# Altium PCB 191228 PCB.PcbDoc (part 2 of 3)
Units mil, origin at the board's own origin, x right, y up, seen from the top; angles counter-clockwise.
Board outline 5511.83 x 4586.63 mil, 4 copper layers (Top Layer, Int1 (GND), Int2 (PWR), Bottom Layer), stack 53.912 mil thick; 242 components, 136 nets, 757 pads, 363 vias.
Unrouted connection lines stored in the file: 11.
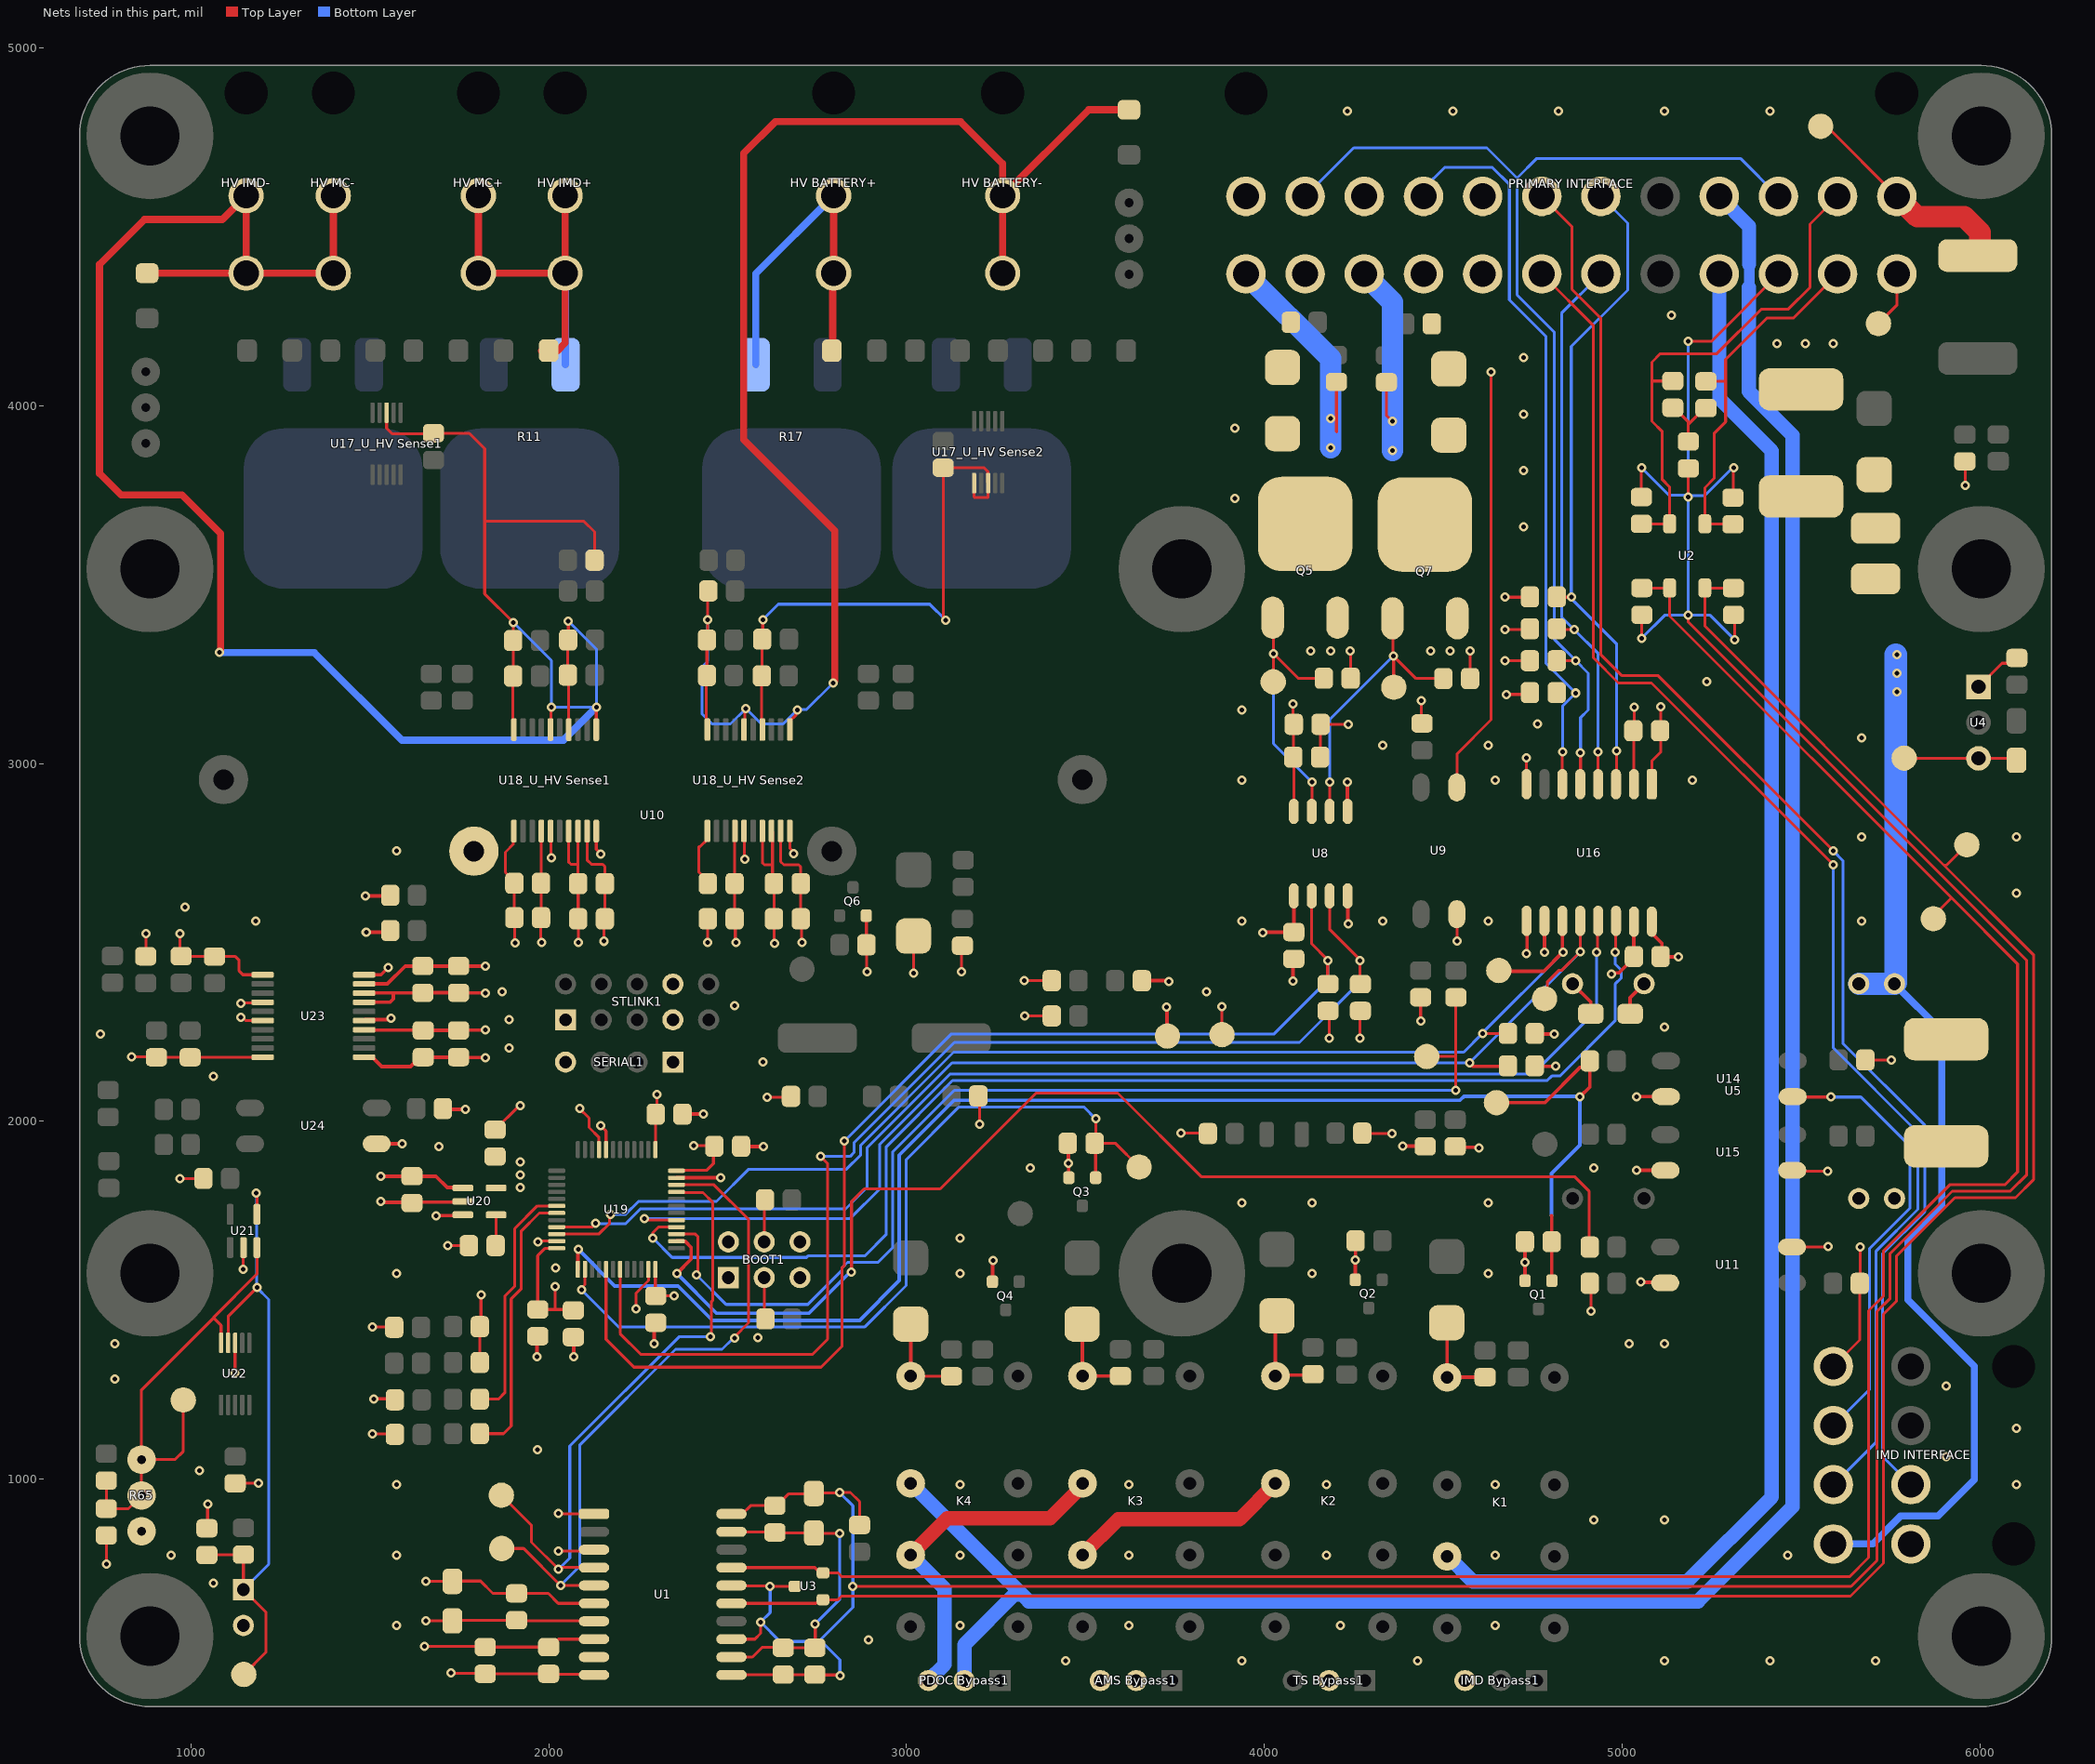
[diagram p4: the nets of this part, all layers, seen from the top]

## Via types
v1: diameter 26, hole 13, Top Layer to Bottom Layer, 363 vias

## Nets (pads, with @x,y where several pads share a name; then routed paths per layer and width w, separated by ;. In a path a pad name is that pad's centre, name@x,y a point inside that pad or via, vN(x,y) a via of type N, cw(c..) or ccw(c..) an arc to the next point about the centre after c; other vN are vias at no path point) (continued)
"0V (ISO)": 4.1 "C35_U_HV Sense1.1" "C35_U_HV Sense2.1" "C36_U_HV Sense1.1" "C36_U_HV Sense2.1" "C37_U_HV Sense1.1" "C37_U_HV Sense2.1" "C38_U_HV Sense1.1" "C38_U_HV Sense2.1" "PCB NTC1.1" "U18_U_HV Sense1.1" "U18_U_HV Sense1.5" "U18_U_HV Sense1.7" "U18_U_HV Sense1.8" "U18_U_HV Sense1.10" "U18_U_HV Sense2.1" "U18_U_HV Sense2.5" "U18_U_HV Sense2.7" "U18_U_HV Sense2.8" "U18_U_HV Sense2.10" BOOT1.5 BOOT1.6 C1.1 C2.1 C7.1 C8.1 C16.1 C19.1 C20.1 C27.1 C29.1 C39.1 C40.1 C41.1 C42.1 C43.1 C44.1 C45.1 C46.1 C47.1 C48.1 C49.1 C60.1 C61.1 C62.1 C63.1 Q1.S Q2.S Q3.S Q4.S Q6.S R3.1 R8.1 R12.1 R19.1 R24.1 R29.1 R34.1 R36.1 R38.1 R55.1 R57.1 R58.1 SERIAL1.4 STLINK1.1 U1.1 U1.3 U1.7 U1.9 U1.10 U5.16 U8.4 U16.9 U16.15 U19.8 U19.23 U19.35 U19.47 U20.2 U23.1 U23.5 U23.7 U23.8 U23.10 U24.3 | length 7040.3
  Top Layer w8: v1(1507.87,1125.98) 1569.36,1125.98 R58.1@1570.4,1124.95 ; v1(1507.87,1425.2) 1567.39,1425.2 R55.1@1568.43,1424.17 ; v1(1511.81,1224.41) 1567.4,1224.41 R57.1@1570.4,1221.41 ; v1(1656.5,603.86) C1.1@1731.31,603.86 1732.29,604.84 1909.46,604.84 C8.1@1910.44,605.83 1912.02,604.25 2125.26,604.25 U1.7@2126.83,602.68 ; v1(1718.03,1652.51) C49.1@1777.09,1652.51 ; v1(1727.37,458.19) 1728.59,456.97 1821.67,456.97 C7.1@1822.89,455.75 C2.1@2000.06,455.75 2001.59,454.21 2125.3,454.21 U1.10@2126.83,452.68 ; C46.1@1850.39,1976.37 1917.33,2043.31 v1(1921.26,2043.31) ; 1902.85,2811.02 1901.28,2809.46 1901.28,2774.31 1878.94,2751.97 1878.94,2695.7 1904.06,2670.58 1904.06,2665.31 1904.14,2665.23 1904.14,2569.05 1904.22,2568.96 1904.87,2568.32 v1@1904.87,2508.52 ; v1@1905.91,2498.61 v1(1906.5,2498.03) ; v1(1969.56,1662.56) 1972.12,1665.12 2022.45,1665.12 U19.23@2022.69,1664.88 ; 2005.21,2811.02 2006.23,2810.01 2006.23,2738.1 v1(2007.97,2736.35) ; v1@2018.71,903.07 2126.44,903.07 U1.1@2126.83,902.68 ; v1(2027.56,799.21) 2114.52,799.21 2118.46,803.15 2120.91,800.69 2124.87,804.65 U1.3@2126.83,802.68 ; 2056.39,2811.02 2056.39,2723.86 2062.25,2718 2082.25,2718 ; 2081.99,2811.02 2082.25,2810.76 2082.25,2718 ; v1(2082.68,2500) 2083.08,2500.4 2083.08,2565.28 2082.5,2565.86 2082.51,2664.25 2082.25,2664.52 2082.25,2718 ; 2133.17,2811.02 2133.17,2759.86 2145,2748.02 v1(2145,2746) ; v1(2145.66,1988.18) 2149.61,1984.24 2149.61,1983.32 2160.48,1972.44 U19.8@2160.48,1920.79 ; v1(2244.09,1476.38) 2244.09,1519.69 2279.53,1555.12 2279.53,1585.2 U19.35@2278.59,1586.14 ; 2443.72,2811.27 2443.72,2787.65 2423.79,2767.72 2419.24,2767.72 2419.24,2697.06 2444.88,2671.42 2444.88,2664.26 ; v1(2444.88,2500) 2444.88,2565.86 ; 2546.08,2811.27 2547.08,2810.26 2547.08,2733.29 v1(2548.09,2732.28) ; 2597.26,2811.27 2597.26,2722.39 2603.12,2716.54 2625.72,2716.54 ; v1(2610.24,2066.93) 2674.47,2066.93 C20.1@2677.17,2069.63 ; 2622.85,2811.27 2625.72,2808.39 2625.72,2716.54 ; v1(2631.39,2497.37) 2630.66,2498.11 2630.66,2565.12 2629.92,2565.86 2629.92,2664.26 2625.72,2668.45 2625.72,2716.54 ; 2674.03,2811.27 2674.03,2763.37 2685.04,2752.36 v1(2685.04,2748.47) ; Q6.S@2887.8,2574.8 2888.03,2574.57 2888.03,2493.39 R19.1@2888.27,2493.16 2889.01,2492.41 2889.01,2418.07 v1(2889.76,2417.32) ; C19.1@3200.78,2070.87 3204.72,2066.93 v1(3204.72,1992.13) ; v1(3329,2393) 3406.04,2393 C39.1@3406.12,2392.92 ; v1(3330,2294) 3405.62,2294 3406.12,2294.5 ; v1(3767.72,1967.52) 3840.69,1967.52 C41.1@3842.38,1965.84 ; 4.1@3881.89,2242.13 v1(3881.89,2319.88) ; R8.1@4178.2,2308.58 4181.1,2305.68 v1(4181.1,2232.28) ; v1(4267.72,2232.28) 4267.72,2307.55 R24.1@4268.75,2308.58 ; C40.1@4273.95,1966.87 4275.27,1965.55 v1(4357.28,1965.55) ; v1(4437.01,2279.53) R12.1@4437.01,2346.46 ; R36.1@4909.82,1547.14 4913.39,1543.58 v1(4913.39,1469.49)
  Top Layer w10: U23.1@1484.25,2179.13 1507.87,2179.13 1533.91,2153.1 1613.73,2153.1 1624.3,2163.67 1634.04,2163.67 C63.1@1649.37,2179 C62.1@1748.22,2179 1749.14,2178.08 1821.92,2178.08 v1(1822.83,2177.17) ; U23.5@1484.25,2281.5 1487.13,2284.37 1556.02,2284.37 v1(1559.06,2287.4) ; U23.7@1484.25,2332.68 1557.09,2332.68 1566.31,2341.9 1566.31,2358.63 ; U23.8@1484.25,2358.27 1484.62,2358.63 1566.31,2358.63 ; U23.10@1484.25,2409.45 1531.5,2409.45 v1(1551.18,2429.13) ; U24.3@1519.68,1937.01 v1(1591,1937) ; v1(1531.5,1775.59) 1533.46,1773.62 1616.14,1773.62 C42.1@1618.11,1771.65 1620.32,1773.86 1758.09,1773.86 U20.2@1760.3,1776.07 ; v1(1822.83,2358.27) 1822.47,2358.63 1748.59,2358.63 C60.1@1748.22,2359 C61.1@1648.37,2359 1648,2358.63 1566.31,2358.63 ; v1(1967.52,1341.54) 1967.52,1397.12 C44.1@1969.54,1399.14 ; C43.1@2068.99,1396.69 2069.88,1395.8 v1(2069.88,1342.52) ; v1(2295.28,1377.95) 2295.28,1433.07 C47.1@2299.21,1437.01 ; U19.47@2357.33,1842.05 2357.52,1842.23 2480.03,1842.23 v1(2480.22,1842.42) ; C45.1@2374.01,2019.68 2375,2020.67 v1(2433.07,2020.67) ; C48.1@2537.87,1930.17 2538.86,1929.18 v1(2599.88,1929.18) ; Q4.S@3240.31,1551.54 3241.3,1552.53 3241.3,1609.61 v1(3242.28,1610.6) ; R38.1@3447.6,1942 R38.1@3450.93,1938.67 3453,1936.6 v1(3453,1883) 3453.42,1882.58 3453.42,1842.73 Q3.S@3453.84,1842.31 ; v1(4080.71,2391.73) 4080.71,2451.77 C16.1@4082.68,2453.74 ; U8.4@4232.68,2629.92 4233.46,2629.13 4233.46,2551.97 v1(4234.25,2551.18) ; Q2.S@4254.56,1556.85 4254.28,1557.13 4254.28,1611.72 v1(4254,1612) 4255.2,1613.2 R34.1@4255.2,1666 ; R3.1@4533.51,1929.65 4535.74,1927.42 4597.18,1927.42 v1(4599.41,1925.2) ; R29.1@4728.47,1663.42 4728.41,1663.35 4728.41,1606.36 4728.64,1606.13 4728.64,1554.51 Q1.S@4728.94,1554.21 ; v1(4732.28,2468.5) 4734.65,2470.87 4734.65,2558.33 U16.9@4733.07,2559.91 ; v1(4970.47,2411.42) 4973.53,2414.48 4991.06,2414.48 5032.87,2456.3 C29.1@5032.87,2460.24 5032.97,2460.34 5032.97,2557.83 U16.15@5033.07,2557.93 ; C27.1@5022.64,2300.2 5022.64,2345.4 U5.16@5061.43,2384.2
  other v1: 1574.8,590.55 1574.8,787.4 2027.34,903.69 1574.8,984.25 1968.5,1082.68 5019.69,1377.95 5118.11,1377.95 2585,1395 1574.8,1574.8 3149.61,1574.8 4133.86,1574.8 4625.98,1574.8 2020,1590 4728.35,1606.3 3149.61,1673.23 3937.01,1771.65 4133.86,1771.65 4625.98,1771.65 3346.46,1870.08 4921.26,1870.08 1692.91,1929.13 2598.43,2165.35 1889.76,2204.72 5118.11,2263.78 1889.76,2283.46 2519.68,2322.83 1870.08,2362.2 3838.58,2362.2 3937.01,2559.06 4330.71,2559.06 4625.98,2559.06 1574.8,2755.91
"3.3V (ISO)": BOOT1.1 BOOT1.2 C43.2 C44.2 C45.2 C46.2 C47.2 C48.2 D18.A D19.A SERIAL1.1 STLINK1.7 STLINK1.8 U19.1 U19.9 U19.24 U19.36 U19.48 U20.5 | length 1204.7
  Top Layer w8: D19.A@1807.56,1325.83 D18.A@1807.56,1426.23 1811.02,1429.69 v1(1811.02,1514.76) ; v1(2017.72,1538.39) 2018.04,1538.06 2018.04,1473.94 ; U19.24@2022.69,1645.2 1990.38,1645.2 1969.54,1624.35 C44.2@1969.54,1473.94 2018.04,1473.94 ; C43.2@2068.99,1471.49 2066.55,1473.94 2018.04,1473.94 ; v1(2086.61,2035.43) 2113.19,2008.86 2113.19,1982.48 2140.8,1954.87 U19.9@2140.8,1920.79 ; U19.36@2298.28,1586.14 2298.28,1512.75 C47.2@2299.21,1511.81 v1(2350.39,1511.81) ; U19.1@2298.28,1920.79 2299.21,1921.72 C45.2@2299.21,2019.68 2298.23,2020.67 2303.15,2025.59 v1(2303.15,2074.8) ; U19.48@2357.33,1861.73 2358.23,1862.63 2441.37,1862.63 2460.63,1881.89 2460.63,1931.66 2461.1,1932.13 v1(2405.99,1932.13)
  other v1: 1921.26,1814.96 1921.26,1850.39 1921.26,1885.83
5V: "5V TP.1" C15.2 C17.2 C18.2 C28.2 D16.A R5.2 R20.2 R40.2 R43.2 U4.3 U8.8 U15.1 U16.1 | length 1292.1
  Top Layer w8: v1(4080.71,3166.34) 4080.71,3111.22 C18.2@4082.68,3109.25 4081.94,3108.51 4081.94,3018.52 C17.2@4081.2,3017.78 4082.68,3016.31 U8.8@4082.68,2866.14 ; v1(4673.23,3287.4) 4742.32,3287.4 R5.2@4742.6,3287.12 ; v1(4673.23,3374.02) 4740.26,3374.02 R43.2@4742.6,3376.36 ; v1(4673.23,3464.57) 4741.57,3464.57 R40.2@4742.6,3465.6 ; v1(4677.17,3192.91) 4737.63,3192.91 R20.2@4742.6,3197.88 ; U16.1@5083.07,2941.93 5083.07,3006.3 5108.27,3031.5 5108.27,3089.61 C28.2@5106.3,3091.58 5108.27,3093.55 v1(5108.27,3158.51) ; U15.1@5475.36,1862.66 5477.29,1860.73 v1(5575,1860.73) ; 5788.39,3014.76 5788.68,3014.47 5995.77,3014.47 U4.3@5996.06,3014.17 6097.05,3014.17 C15.2@6102.36,3008.86 ; D16.A@5958.03,3844.13 5959.65,3842.51 v1(5959.65,3777.56)
"5V (ISO)": 2.1 "C35_U_HV Sense1.2" "C35_U_HV Sense2.2" "C36_U_HV Sense1.2" "C36_U_HV Sense2.2" "C37_U_HV Sense1.2" "C37_U_HV Sense2.2" "C38_U_HV Sense1.2" "C38_U_HV Sense2.2" "U18_U_HV Sense1.4" "U18_U_HV Sense1.9" "U18_U_HV Sense2.4" "U18_U_HV Sense2.9" C1.2 C2.2 C7.2 C8.2 C16.2 C27.2 C29.2 C42.2 C60.2 C61.2 C62.2 C63.2 D4.K D8.K D9.A D10.K D11.A D12.K D13.A D14.K D15.A D17.A K1.16 K2.16 K3.16 K4.16 R4.2 R7.2 R15.2 R54.2 R70.2 R71.2 R73.2 U1.6 U1.8 U5.14 U8.1 U9.4 U10.2 U11.4 U14.4 U15.4 U16.10 U16.16 U20.1 U20.3 U23.4 U23.9 | length 5950.9
  Top Layer w8: v1(1652.57,532.99) 1820.45,532.99 C7.2@1822.89,530.55 C2.2@2000.06,530.55 2005.59,530.55 2027.72,552.68 U1.8@2126.83,552.68 ; v1(1656.5,714.09) C1.2@1731.31,714.09 1732.29,715.08 1809.59,715.08 1844.04,680.63 C8.2@1910.44,680.63 1999.02,680.63 2026.98,652.68 U1.6@2126.83,652.68 ; 1979.24,2665.5 1979.24,2665.69 ; 1979.62,2811.02 1979.24,2810.64 1979.24,2665.69 ; v1(1980.32,2500) 1978.19,2502.12 1978.19,2568.3 1978.94,2569.05 1978.94,2665.23 1978.86,2665.31 1979.24,2665.69 ; 2107.58,2811.02 2107.58,2730.42 2120,2718 2151.2,2718 2157.32,2711.89 2157.32,2664.26 2157.31,2565.87 2157.3,2559.59 2155,2557.29 v1(2155,2503) ; 2520.49,2811.27 2520.09,2810.86 2520.09,2664.66 2519.68,2664.26 2519.68,2565.86 2521.65,2563.89 2521.65,2501.97 v1(2523.62,2500) ; 2648.44,2811.27 2648.44,2725.58 2657.48,2716.54 2698.86,2716.54 2704.72,2710.68 2704.72,2664.26 2704.72,2565.86 2706.69,2563.89 2706.69,2501.97 v1(2708.66,2500) ; K4.16@3011.89,1288.04 3012.21,1287.72 3125.67,1287.72 D15.A@3125.98,1287.4 ; v1(3019.68,2413.39) D4.K@3019.68,2517.72 ; v1(3153.54,2417.32) 3153.54,2485.66 3157.48,2489.6 R15.2@3156.45,2490.63 ; U9.4@4538.17,2578.72 4538.77,2578.12 4538.77,2504.54 v1(4539.37,2503.94)
  Top Layer w10: U23.4@1484.25,2255.91 1485.3,2254.85 1648.32,2254.85 C63.2@1649.37,2253.8 C62.2@1748.22,2253.8 1749.27,2254.85 1821.78,2254.85 v1(1822.83,2255.91) ; U23.9@1484.25,2383.86 1549.21,2383.86 1599.15,2433.8 C61.2@1648.37,2433.8 C60.2@1748.22,2433.8 1748.58,2433.44 1822.47,2433.44 v1(1822.83,2433.07) ; v1(1488,2630) 1555.84,2630 R71.2@1557.24,2631.4 ; v1(1490,2528) 1552.26,2528 R70.2@1557.24,2532.98 ; v1(1531.5,1846.46) C42.2@1618.11,1846.45 1685.04,1846.45 1716.3,1815.2 1758.57,1815.2 U20.1@1760.3,1813.47 ; v1(1685.04,1736.22) 1757.85,1736.22 U20.3@1760.3,1738.67 ; R73.2@1704.72,2035.43 1707.15,2033 v1(1767,2033) ; D14.K@3011.81,1433.07 3011.89,1432.99 K4.16@3011.89,1288.04 ; D12.K@3491.09,1433.07 3491.91,1432.25 K3.16@3491.91,1288.04 3491.96,1288.08 D13.A@3598.03,1288.13 D13.A@3598.03,1288.13 ; R54.2@3658.09,2392.92 3731.08,2392.92 v1(3733,2391) ; v1(3726.38,2318.9) 3727.85,2317.42 3727.85,2239.67 2.1@3729.33,2238.19 ; v1(3996.06,2527.56) 3996.56,2528.05 4082.19,2528.05 C16.2@4082.68,2528.54 U8.1@4082.68,2629.92 ; D10.K@4035.43,1456.69 4031,1452.26 K2.16@4031,1288.04 4033.54,1290.58 4133.49,1290.58 D11.A@4136.03,1293.13 ; v1(4386.81,1931.1) 4387.54,1930.37 4449.12,1930.37 D17.A@4449.85,1929.65 ; D8.K@4510,1437 4511.02,1435.98 K1.16@4511.02,1284.1 4511.47,1284.55 4616.66,1284.55 D9.A@4617.1,1285 ; R4.2@4755.8,2154.89 4757.15,2153.54 v1(4814.96,2153.54) ; R7.2@4755.8,2245.44 4757.15,2244.09 v1(4811.02,2244.09) ; U16.10@4783.07,2559.95 4783.27,2559.75 v1(4783.27,2472.64) ; U5.14@4861.43,2384.2 4912.4,2333.23 C27.2@4912.4,2300.2 ; v1(5040,2068.36) 5040.49,2068.85 U14.4@5122.28,2068.85 ; v1(5041,1862.73) U15.4@5121.03,1862.66 U15.4@5121.03,1862.66 ; v1(5051.55,1551.08) 5052.94,1549.69 5119.07,1549.69 U11.4@5120.45,1548.31 ; U16.16@5083.07,2557.93 5083.07,2525.2 5111.22,2497.05 5111.22,2463.78 C29.2@5107.67,2460.24 5108.27,2459.65 v1(5157.48,2459.65)
12V/24V: "IMD INTERFACE.2" C14.2 C22.2 L1.1 U4.1 U5.22 U5.23 | length 3185.8
  Top Layer w8: U4.1@5996.06,3214.17 6061.86,3279.97 6088.57,3279.97 C14.2@6103.39,3294.8
  Bottom Layer w20: 5590.55,818.9 5700.85,818.9 5778.61,896.65 5882.87,896.65 5984.25,998.03 5984.25,1315.65 5798.33,1501.57 5798.33,1666.24 5893.7,1761.6 5893.7,2251.93 U5.23@5761.43,2384.2
  Bottom Layer w62.99: U5.22@5663.05,2384.2 U5.23@5761.43,2384.2 5764.76,2387.53 5764.76,3251.97 v1@5764.76,3304.13
  other v1: 5767.72,3199.8 5767.72,3251.97 5767.72,3304.13
"AIR Power": "PRIMARY INTERFACE.15" "PRIMARY INTERFACE.18" "PRIMARY INTERFACE.22" D2.K D6.K R6.2 R22.2 U9.1 | length 1201.1
  Top Layer w8: U9.1@4538.17,2933.05 4538.77,2933.66 4538.77,3026.96 4633.86,3122.05 v1(4633.86,4094.49)
AIR+: "PRIMARY INTERFACE.20" D6.A D7.K Q7.D | length 643
  Top Layer w8: D7.K@4341.49,4065.43 4341.49,3972.38 4357.17,3956.69 v1(4358.27,3956.69)
  Bottom Layer w60: 4279.53,4368.11 4358.27,4289.37 v1(4358.27,3956.69) v1(4358.27,3874.02)
"AIR+ (ISO)": R24.2 U8.3 U19.31 | length 3387
  Top Layer w8: U19.31@2199.85,1586.14 2199.85,1406.45 2257.6,1348.7 2737.28,1348.7 2779.53,1390.95 2779.53,1881.89 v1(2759.84,1901.57) ; U8.3@4182.68,2629.92 4182.68,2536.38 4267.72,2451.34 v1(4267.72,2448.82) 4267.72,2384.42 R24.2@4268.75,2383.38
  Bottom Layer w8: v1(2759.84,1901.57) 2842.52,1901.57 2853.77,1912.83 2853.77,1940.33 3133.91,2220.47 4098.43,2220.47 4267.72,2389.76 v1(4267.72,2448.82)
"AIR+ Feedback (ISO)": "AIR+ FB ISO1.1" R7.1 U16.11 U19.22 | length 3529
  Top Layer w8: U19.22@2022.69,1684.57 2140.07,1684.57 2170.66,1715.16 2170.66,1737.59 v1(2173.23,1740.16) ; v1(4610.13,2245.44) R7.1@4681,2245.44
  Top Layer w10: 4655.51,2421.26 4657.77,2419 4781.2,2419 4833.07,2470.87 U16.11@4833.07,2559.95
  Bottom Layer w8: v1(2173.23,1740.16) 2215.35,1740.16 2251.34,1776.15 2469.06,1776.15 2559.06,1866.14 2832.54,1866.14 2871.77,1905.37 2871.77,1932.88 3131.81,2192.91 4557.61,2192.91 v1(4610.13,2245.44) 4610.13,2246.68 4834.65,2471.2 v1(4834.65,2472.44)
"AIR+ Feedback Out": "PRIMARY INTERFACE.17" R20.1 U16.6 | length 2074.2
  Top Layer w8: U16.6@4833.07,2941.93 4832.87,2942.13 4832.87,3030.87 v1(4833.91,3031.91)
  Bottom Layer w8: 4444.88,4584.65 4444.88,4606.3 4503.94,4665.35 4637.8,4665.35 4685.04,4618.11 4685.04,4295.28 4787.4,4192.91 4787.4,3279.53 v1(4870.08,3196.85) 4833.91,3160.68 v1(4833.91,3031.91)
AIR-: "PRIMARY INTERFACE.24" D2.A D3.K Q5.D | length 723.7
  Top Layer w8: D3.K@4201.71,4066.35 4201.71,3928.21 4202.76,3927.17
  Bottom Layer w60: 3948.82,4368.11 4185.04,4131.89 v1(4185.04,3964.57) v1(4185.04,3881.89)
"AIR- (ISO)": R8.2 U8.2 U19.29 | length 3344.8
  Top Layer w8: U19.29@2160.48,1586.14 2160.48,1390.7 2238.48,1312.7 2761.52,1312.7 2819.46,1370.64 2819.46,1589.92 2826.77,1597.24 v1(2826.77,1944.88) ; U8.2@4132.68,2629.92 4132.68,2495.83 4177.17,2451.34 v1(4177.17,2448.82) 4177.17,2384.42 R8.2@4178.2,2383.38
  Bottom Layer w8: v1(2826.77,1944.88) 3125.98,2244.09 4027.56,2244.09 4177.17,2393.7 v1(4177.17,2448.82)
"AIR- Feedback (ISO)": "AIR- FB ISO TP1.1" R4.1 U16.12 U19.21 | length 3620.4
  Top Layer w8: U19.21@2022.69,1704.25 2121.57,1704.25 v1(2131.65,1714.33) ; 4783.46,2342.52 4791.53,2350.58 4791.53,2389.95 4822.83,2421.26 4830.71,2421.26 v1(4883.07,2473.62) U16.12@4883.07,2559.95
  Top Layer w10: v1(4574,2163) 4583.46,2153.54 4679.66,2153.54 R4.1@4681,2154.89
  Bottom Layer w8: v1(2131.65,1714.33) 2132.83,1713.16 2214.34,1713.16 2256.53,1755.35 2830.15,1755.35 2889.77,1814.97 2889.77,1925.42 3127.35,2163 v1(4574,2163) 4574,2163.78 4883.07,2472.85 v1(4883.07,2473.62)
"AIR- Feedback Out": "PRIMARY INTERFACE.5" "PRIMARY INTERFACE.21" R5.1 U16.5 | length 3319.6
  Top Layer w8: R5.1@4817.4,3287.12 4817.68,3287.4 v1(4870.08,3287.4) ; U16.5@4883.07,2941.93 4883.96,2942.81 4883.96,3030.41 v1(4883.86,3030.51)
  Bottom Layer w8: 4114.17,4584.65 4250,4720.47 4622.05,4720.47 4706.47,4636.05 ; v1(4883.86,3030.51) 4883.86,3127.95 4905.51,3149.61 4905.51,3251.97 v1(4870.08,3287.4) 4811.02,3346.46 4811.02,4204.72 4706.47,4309.28 4706.47,4636.05 ; 5437.01,4584.65 5330.71,4690.94 4761.37,4690.94 4706.47,4636.05
"AMS OK (ISO)": "AMS OK TP1.1" Q3.G R38.2 U19.26 | length 2332.1
  Top Layer w8: v1(2092,1529) 2092,1533.87 2101.43,1543.3 U19.26@2101.43,1586.14 ; R38.2@3525.73,1938.67 R38.2@3529,1938.67 ; Q3.G@3528.64,1842.31 3528.64,1935.76 3529,1936.11 R38.2@3529,1938.67 ; v1(3529,2007) R38.2@3529,1938.67 ; 3650,1872 3583.33,1938.67 R38.2@3529,1938.67
  Bottom Layer w8: v1(2092,1529) 2196.36,1424.64 2882.64,1424.64 2999,1541 2999,1892.7 3145.67,2039.37 3496.63,2039.37 v1(3529,2007)
BOOT0: BOOT1.3 R60.1 | length 116.6
  Top Layer w8: BOOT1.3@2602.36,1562.99 2602.36,1451.19 R60.1@2605.77,1447.79
BOOT1: BOOT1.4 R59.2 | length 118.6
  Top Layer w8: BOOT1.4@2602.36,1662.99 2602.36,1778.12 R59.2@2604.8,1780.56
"CAN RX": "CAN RX TP.1" U1.4 U19.45 | length 1743.9
  Top Layer w8: 1868,955 1952.07,870.93 1952.07,823.52 v1(2027.56,748.03) 2032.83,753.31 2126.2,753.31 U1.4@2126.83,752.68 ; U19.45@2357.33,1802.68 2375.05,1802.68 2376.95,1800.77 2431.51,1800.77 2458.39,1773.9 2458.39,1498.82 2454.45,1494.89 2454.45,1399.33 v1(2452.76,1397.64)
  Bottom Layer w8: v1(2027.56,748.03) 2059.06,779.53 2059.06,1092.38 2364.31,1397.64 v1(2452.76,1397.64)
"CAN RX INDC": "CAN RX INDC1.A" U19.19 | length 773.1
  Top Layer w8: 1807.56,1127.02 1874.02,1127.02 1895.39,1148.39 1895.39,1503.52 1922.94,1531.08 1922.94,1692.4 1974.16,1743.62 U19.19@2022.69,1743.62
"CAN TX": "CAN TX TP.1" U1.5 U19.46 | length 1861.1
  Top Layer w8: 1869,806 1930.22,806 v1(2033.46,702.76) 2033.5,702.72 U1.5@2126.83,702.68 U1.5@2126.83,702.68 ; U19.46@2357.33,1822.36 2462.09,1822.36 2558.83,1725.62 2558.83,1436.79 2519.68,1397.64 v1(2519.68,1393.7)
  Bottom Layer w8: v1(2033.46,702.76) 2086.61,755.91 2086.61,1094.49 2354.89,1362.76 2484.81,1362.76 2515.75,1393.7 v1(2519.68,1393.7)
"CAN TX INDC": "CAN TX INDC1.A" U19.18 | length 691.2
  Top Layer w8: 1807.56,1223.47 1859.47,1223.47 1877.39,1241.39 1877.39,1510.97 1904.94,1538.53 1904.94,1699.86 1968.39,1763.31 U19.18@2022.69,1763.31
CANH: "CAN TERM R1.2" "PRIMARY INTERFACE.3" C11.2 U2.2 | length 1426.4
  Top Layer w8: C11.2@5053.96,3669.66 U2.2@5132.91,3669.65 5132.91,3772.57 5112.2,3793.28 5112.2,3927.28 5083.17,3956.31 5083.17,4065.31 ; 5141.81,4068.79 5086.64,4068.79 5083.17,4065.31 ; 5602.36,4584.65 5525,4507.28 5525,4330 5465,4270 5390,4270 5265,4145 5106.61,4145 5083.17,4121.55 5083.17,4065.31
CANL: "CAN TERM R2.1" "PRIMARY INTERFACE.4" C10.2 U2.1 | length 1029.9
  Top Layer w8: 5234.24,4067.82 5289.37,4067.82 ; C10.2@5309.87,3668.16 5309.12,3668.91 5232.08,3668.91 U2.1@5231.33,3669.65 5231.33,3770.48 5257.17,3796.31 5257.17,3922.31 5289.37,3954.52 5289.37,4067.82 ; 5602.36,4368.11 5479.25,4245 5405,4245 5289.37,4129.37 5289.37,4067.82
CANS: "PRIMARY INTERFACE.6" C3.1 C4.1 C5.1 C6.1 C9.1 C10.1 C11.1 C12.1 C13.1 R1.1 U1.11 U1.13 U1.16 U1.20 U3.3 | length 10251.2
  Top Layer w8: U1.11@2510.87,452.68 2511.98,453.78 C6.1@2655.57,453.78 C5.1@2744.15,453.78 2745.41,452.52 2812.82,452.52 v1(2814.09,451.25) ; U1.13@2510.83,552.68 2576.3,552.68 2592.52,568.9 v1(2592.52,600.39) ; U1.16@2510.83,702.68 2512.02,701.5 2617.92,701.5 v1(2619.1,700.31) U3.3@2688,700.31 ; U1.20@2510.83,902.68 2541.58,902.68 2564.6,925.69 C3.1@2632.32,925.69 ; C3.1@2637.85,925.69 2671.32,959.16 2740.58,959.16 C4.1@2740.46,959.28 ; C4.1@2741.34,959.69 2743.04,961.39 v1@2811.78,961.39 ; v1(2812.99,962.6) 2843.5,962.6 2869.05,937.05 R1.1@2869.05,871.53 ; v1(2850.39,700) 5639.96,700 5712.46,772.5 5712.46,1468.5 5748.94,1504.98 5748.94,1630.69 5922.66,1804.42 6084.93,1804.42 6130.91,1850.39 6130.91,2449.09 5185,3395 v1(5185,3415) ; C11.1@5053.96,3744.46 5053.96,3826 v1(5054.28,3826.31) ; v1(5055,3350) 5055,3415.05 C13.1@5055.2,3415.25 ; v1@5184.54,3744 v1(5184.09,3744.46) 5184.6,3744.97 5184.6,3824.18 C9.1@5185.12,3824.69 ; v1(5185,4180) 5250,4180 5360,4290 5360,4291.1 5437.01,4368.11 ; C10.1@5309.87,3742.96 5311.02,3744.11 5311.02,3825.17 v1(5312.17,3826.31) ; C12.1@5311.1,3415.25 5315,3411.35 v1(5315,3345)
  Bottom Layer w8: v1(2619.1,700.31) 2619.1,626.98 v1(2592.52,600.39) 2646.65,546.26 2762.8,546.26 ; v1(2812.99,962.6) 2850.39,925.2 v1(2850.39,700) 2850.39,641.73 2758.86,550.2 2762.8,546.26 ; v1(2814.09,451.25) 2814.09,494.97 2762.8,546.26 ; v1(5054.28,3826.31) 5130.33,3750.26 v1@5178.29,3750.26 ; v1(5055,3350) 5120,3415 v1(5185,3415) ; v1@5184.09,3748.03 5184.54,3748.49 5184.54,4178.63 5184.09,4179.09 v1(5185,4180) ; v1(5312.17,3826.31) 5308.6,3826.31 5230.31,3748.03 5187.66,3748.03 v1(5184.09,3744.46) 5184.54,3744 5184.54,3415.46 v1(5185,3415) ; v1(5315,3345) 5245,3415 v1(5185,3415)
"Charge Enable": "PRIMARY INTERFACE.12" R43.1 U16.4 | length 1563.7
  Top Layer w8: R43.1@4817.4,3376.36 4819.74,3374.02 v1(4866.14,3374.02) ; v1(4933,3032) v1(4933,3032) U16.4@4933.04,2941.96 ; U16.4@4933.04,2941.96 U16.4@4933.07,2941.93
  Bottom Layer w8: v1(4933,3032) 4933,3307.16 v1(4866.14,3374.02) 4831.03,3409.12 4831.03,4258.2 4940.94,4368.11
"Charge Enable (ISO)": U16.13 U19.41 | length 3317.6
  Top Layer w8: v1(2267.72,1728.35) 2272.13,1723.94 U19.41@2357.33,1723.94 ; v1(4929.13,2472.44) 4931.1,2474.41 4931.1,2557.98 U16.13@4933.07,2559.95
  Bottom Layer w8: v1(2267.72,1728.35) 2842.52,1728.35 2925,1810.83 2925,1935.2 3121.41,2131.61 4749.72,2131.61 4929.13,2311.02 v1(4929.13,2472.44)
"CHASSIS REF": "IMD INTERFACE.4" "PRIMARY INTERFACE.14" | length 3971.1
  Top Layer w8: 4775.59,4368.11 4920,4223.7 4920,3295 4990,3225 5082.09,3225 v1(5590.55,2716.54)
  Bottom Layer w8: 5590.55,984.25 5710,1103.7 5710,1637.3 5826.77,1754.07 5826.77,1968.5 5590.55,2204.72 v1(5590.55,2716.54)
"Discharge Enable": "PRIMARY INTERFACE.11" R40.1 U16.3 | length 1839.3
  Top Layer w8: R40.1@4817.4,3465.6 4826.31,3456.69 4834.18,3464.57 v1(4858.03,3464.57) ; U16.3@4983.07,2941.93 4984.15,2943.01 v1(4984.15,3034.55)
  Bottom Layer w8: 4940.94,4584.65 5015.75,4509.84 5015.75,4322.83 4862.2,4169.29 4858.03,4165.12 v1(4858.03,3464.57) 4858.03,3460.86 4984.15,3334.74 v1(4984.15,3034.55)
"Discharge Enable (ISO)": U16.14 U19.40 | length 3511.1
  Top Layer w8: v1(2291.34,1673.23) 2291.34,1688.98 2306.61,1704.25 U19.40@2357.33,1704.25 ; v1(4980.31,2472.44) 4981.69,2473.82 4981.69,2558.57 U16.14@4983.07,2559.95
  Bottom Layer w8: v1(2291.34,1673.23) 2345.1,1619.46 2720.39,1619.46 2724.67,1623.74 2883.58,1623.74 2943,1683.16 2943,1927.74 3128.87,2113.61 4790.78,2113.61 4803.71,2126.54 4826.14,2126.54 4980.31,2280.71 4980.31,2383.08 4997.47,2400.23 4997.47,2422.6 4980.31,2439.76 v1(4980.31,2472.44)
GLV+: "GLV+ TP1.1" "PRIMARY INTERFACE.1" F1.1 | length 635
  Top Layer w8: 5555.12,4780.51 5571.85,4780.51 5767.72,4584.65
  Top Layer w60: 5767.72,4584.65 5824.8,4527.56 5956.69,4527.56 6000,4484.25 6000,4425.2 F1.1@5994.09,4419.29
GLV-: "GLV- TP1.1" "IMD INTERFACE.1" "PRIMARY INTERFACE.2" "PRIMARY INTERFACE.16" "PRIMARY INTERFACE.19" "PRIMARY INTERFACE.23" C17.1 C18.1 C21.1 C22.1 C28.1 Q5.S Q7.S R9.1 R13.2 R25.1 R30.1 U5.2 U5.3 U8.5 U11.2 U16.2 U16.8 | length 1109.3
  Top Layer w8: C17.1@4157.33,3016.45 C17.1@4156,3017.78 4156.74,3018.52 4156.74,3108.51 C18.1@4157.48,3109.25 v1(4235.24,3109.25) ; v1(4240.16,3314.96) 4241.14,3313.98 R9.1@4241.14,3238.19 ; v1(4438.98,3175.2) 4438.98,3113.7 R13.2@4440.95,3111.73 ; v1(4574.8,3314.96) 4575.27,3314.49 R25.1@4575.27,3237.25 ; v1(4732.28,3015.75) 4732.68,3015.35 4732.68,2942.32 U16.8@4733.07,2941.93 ; U16.2@5033.07,2941.93 5033.07,3090.01 C28.1@5031.5,3091.58 5033.46,3093.55 v1(5033.46,3157.53) ; U11.2@5474.78,1648.31 5573.73,1648.31 v1(5576,1650.57) ; R30.1@5680.02,2171.26 R30.1@5679.9,2171.38 5683.72,2175.2 5695.53,2163.39 5703.41,2171.26 v1(5752.95,2171.26) ; 5716.54,4229.33 5767.72,4280.51 5767.72,4368.11
  Top Layer w10: v1(4232.48,2948) 4232.58,2947.9 4232.58,2866.24 U8.5@4232.68,2866.14
  other v1: 3444.88,492.13 3937.01,492.13 4429.13,492.13 5118.11,492.13 5413.39,492.13 5708.66,492.13 2893.7,551.18 3149.61,590.55 3622.05,590.55 4212.6,590.55 4645.67,590.55 3149.61,787.4 3622.05,787.4 4173.23,787.4 4645.67,787.4 5462.6,787.4 4921.26,885.83 5118.11,885.83 3149.61,984.25 3622.05,984.25 4173.23,984.25 4645.67,984.25 6102.36,984.25 5905.51,1062.99 6102.36,1141.73 5905.51,1259.84 5669.29,2559.06 6102.36,2637.8 5669.29,2795.28 6102.36,2795.28 3937.01,2952.76 4645.67,2952.76 5196.85,2952.76 4330.71,3051.18 4625.98,3051.18 5669.29,3070.87 4763.78,3110.24 3937.01,3149.61 5236.22,3228.35 4129.92,3314.96 4185.04,3314.96 4464.57,3314.96 4519.68,3314.96 4724.41,3661.42 3917.32,3740.16 4724.41,3818.9 3917.32,3937.01 4724.41,3976.38 4724.41,4133.86 5433.07,4173.23 5511.81,4173.23 5590.55,4173.23 5137.8,4251.97 4232.28,4822.83 4527.56,4822.83 4822.83,4822.83 5118.11,4822.83 5413.39,4822.83
"GLV- REF": "IMD INTERFACE.3" "PRIMARY INTERFACE.13" | length 4185.2
  Top Layer w8: 4775.59,4584.65 4860,4500.24 4860,4325 4940,4245 4940,3305 4999.69,3245.31 5101.14,3245.31 v1(5590.55,2755.91)
  Bottom Layer w8: v1(5590.55,2755.91) 5590.55,2754.72 5617.55,2727.72 5617.55,2217.09 5846.46,1988.19 5846.46,1748.3 5728,1629.84 5728,1063.34 5807.09,984.25
GNDISO: "PDOC NTC1.2" C52.1 C53.1 C54.1 C55.2 C56.1 C57.1 C58.1 C59.2 R65.3 R69.1 U21.2 U22.3 U23.11 U23.14 U23.16 U23.20 | length 1320.7
  Top Layer w8: C54.1@763.78,842.52 764,842.3 v1(764,763) ; v1(835,2180) 902.56,2180 C56.1@903.78,2178.78 C57.1@998.27,2178.78 998.62,2179.13 U23.20@1200.79,2179.13 ; R69.1@873.97,2460.97 875,2462 v1(875,2525) ; v1@962.06,2525 v1(970,2525) 970,2464.44 C59.2@972.97,2461.47 973.93,2460.51 C58.1@1066.22,2460.51 1124.49,2460.51 1135,2450 1135,2420 1145.55,2409.45 U23.11@1200.79,2409.45 ; v1(970,1840) C53.1@1035.2,1840 ; C52.1@1044.97,862.62 1047,864.65 v1(1047,930) ; v1(1123,1297) 1123.5,1297.5 1123.5,1380.11 U22.3@1124,1380.61 ; C55.2@1124,988.2 1124.8,989 v1(1189,989) ; v1(1140,2290) 1144.87,2290 1153.37,2281.5 U23.16@1200.79,2281.5 ; v1(1140,2330) 1141.34,2331.34 1199.45,2331.34 U23.14@1200.79,2332.68 ; v1(1146,1586) 1146.7,1586.7 1146.7,1646.3 U21.2@1147.4,1647
  other v1: 1062.99,708.66 944.88,787.4 1023.62,1023.62 787.4,1279.53 787.4,1377.95 1062.99,2125.98 748.03,2244.09 1181.1,2559.06 984.25,2598.43
"Green In": "IMD Bypass1.3" "PRIMARY INTERFACE.8" K1.11 | length 4513
  Bottom Layer w40: K1.11@4511.02,784.1 4512.44,784.1 4582.44,714.1 5182.61,714.1 5418.31,949.8 5418.31,3064.19 5418.31,3873.03 5271.65,4019.68 5271.65,4368.11
"Green Out": "PDOC Bypass1.2" "PRIMARY INTERFACE.7" K4.13 | length 6762.3
  Bottom Layer w30: 5355,4345 5355,4395
  Bottom Layer w40: K4.13@3011.89,988.04 3322.46,677.46 ; 3161.89,437.01 3161.89,537.03 3302.32,677.46 3322.46,677.46 ; 5271.65,4584.65 5355,4501.3 5355,4395 ; 5354.33,4330.41 5354.33,4039.37 5476.38,3917.32 5476.38,3051.55 5476.38,922.24 5212.17,658.04 3341.89,658.04 3322.46,677.46
"HV Battery+": "HV BATTERY+.1" "HV BATTERY+.2" "R44_U_HV Sense2.2" R17.1 | length 997.9
  Top Layer w20: 2791.34,4153.54 2793.93,4156.14 2793.93,4367.49 2796.53,4370.08 2796.53,4586.61
  Bottom Layer w20: R17.1@2578.74,4114.17 2578.74,4368.83 2796.53,4586.61
"HV Battery-": "C30_U_HV Sense2.2" "C31_U_HV Sense2.1" "C32_U_HV Sense2.1" "C33_U_HV Sense2.1" "C34_U_HV Sense2.2" "HV BATTERY-.1" "HV BATTERY-.2" "R51_U_HV Sense2.1" "R53_U_HV Sense2.1" "U17_U_HV Sense2.1" "U17_U_HV Sense2.3" "U18_U_HV Sense2.11" "U18_U_HV Sense2.14" "U18_U_HV Sense2.16" "U18_U_HV Sense2.20" | length 5971.1
  Top Layer w8: 2443.72,3094.73 2440.32,3098.12 2440.32,3243.63 2442.44,3245.75 2442.44,3345.18 2444.88,3347.62 v1(2444.88,3401.57) 2444.88,3480.69 2446.38,3482.19 ; 2546.08,3094.73 2548.63,3097.28 2548.63,3150.99 v1(2551.18,3153.54) ; 2597.26,3094.73 2595.05,3096.95 2595.05,3243.98 2595.99,3244.92 2595.99,3346.3 2596.93,3347.25 2598.43,3348.74 v1(2598.43,3401.57) ; 2674.03,3094.73 2674.03,3118.35 2691.56,3135.88 2691.56,3146.56 v1(2695,3150) ; v1(3110,3400) 3102.79,3407.21 3102.79,3826.43 3217,3826.43 3227.31,3816.12 3227.31,3784.5 3228.35,3783.46 3228.35,3742.92 3190.9,3742.92 3188.98,3744.84 3188.98,3783.46
  Top Layer w20: v1(2795,3225) 2800,3230 2800,3650 2545,3905 2545,4705 2633.98,4793.98 3151.02,4793.98 3268.97,4676.03 3268.97,4586.61 ; 3268.97,4370.08 3268.97,4586.61 ; 3622.05,4826.77 3509.12,4826.77 3268.97,4586.61
  Bottom Layer w8: v1(2444.88,3401.57) 2444.88,3285.59 2429.13,3269.84 2429.13,3137.8 2456.69,3110.24 2507.87,3110.24 v1(2551.18,3153.54) 2594.49,3110.24 2655.24,3110.24 v1(2695,3150) 2696.15,3151.15 2721.15,3151.15 v1(2795,3225) ; v1(2598.43,3401.57) 2641.85,3445 3065,3445 v1(3110,3400)
"HV MC+": "HV IMD+.1" "HV IMD+.2" "HV MC+.1" "HV MC+.2" "R44_U_HV Sense1.2" R11.2 | length 1201.8
  Top Layer w20: 1803.82,4586.61 1803.82,4370.08 2046.26,4370.08 ; 1980.31,4153.54 2024.87,4153.54 2046.26,4174.93 2046.26,4370.08 ; 2046.26,4586.61 2046.26,4370.08
  Bottom Layer w20: 2046.26,4370.08 2046.75,4369.59 2046.75,4114.67 R11.2@2047.24,4114.17
"HV MC-": "C30_U_HV Sense1.2" "C31_U_HV Sense1.1" "C32_U_HV Sense1.1" "C33_U_HV Sense1.1" "C34_U_HV Sense1.2" "HV IMD-.1" "HV IMD-.2" "HV MC-.1" "HV MC-.2" "R51_U_HV Sense1.1" "R53_U_HV Sense1.1" "U17_U_HV Sense1.3" "U18_U_HV Sense1.11" "U18_U_HV Sense1.14" "U18_U_HV Sense1.16" "U18_U_HV Sense1.20" | length 6634.1
  Top Layer w8: 1547.24,3980.32 1547.24,3937.01 1562.99,3921.26 1676.7,3921.26 1678.2,3922.75 1778.03,3922.75 1821.34,3879.45 1821.34,3676.69 ; 1902.85,3094.49 1900.03,3097.31 1900.03,3243.39 1900.77,3244.13 1900.77,3343.57 1901.57,3344.37 v1(1901.57,3393.7) 1821.34,3473.94 1821.34,3676.69 ; 2005.21,3094.49 2006.54,3095.82 2006.54,3156.15 v1(2007.87,3157.48) ; v1(2055.12,3397.64) 2055.12,3345.71 2054.59,3345.18 2053.62,3344.22 2053.62,3246.98 2055.68,3244.93 2055.68,3095.21 2056.39,3094.49 ; 2128.42,3567.96 2128.42,3647.17 2098.9,3676.69 1821.34,3676.69 ; 2133.17,3094.49 2133.17,3156.79 v1(2133.86,3157.48)
  Top Layer w20: 877.95,4370.08 1154.53,4370.08 ; v1(1080,3310) 1081.15,3311.15 1081.15,3313.16 1082.99,3315 1082.99,3642.01 975,3750 805,3750 745,3810 745,4395 870,4520 1087.91,4520 1154.53,4586.61 1154.53,4370.08 ; 1398.31,4586.61 1398.31,4370.08 1154.53,4370.08
  Bottom Layer w8: v1(1901.57,3393.7) 2007.87,3287.4 v1(2007.87,3157.48) v1(2133.86,3157.48) 2133.86,3318.9 v1(2055.12,3397.64)
  Bottom Layer w20: v1(1080,3310) 1345,3310 1590,3065 2041.38,3065 v1(2133.86,3157.48)
"IMD Data": "IMD INTERFACE.8" R26.1 | length 364
  Top Layer w8: 5590.55,1314.96 5664.23,1388.64 R26.1@5664.23,1547.11 5665,1547.88 v1(5665,1648.15)
"IMD Data (ISO)": R31.1 U19.38 | length 3375.3
  Top Layer w8: v1(2846.46,1578.74) 2846.46,1775.59 2881.89,1811.02 3094.49,1811.02 3362.2,2078.74 3590.55,2078.74 3823.97,1845.32 4867.28,1845.32 4907.47,1805.13 4907.47,1648.47 R31.1@4909.82,1648.47
  Top Layer w10: U19.38@2357.33,1665.2 2374.73,1665.2 2375.95,1663.97 2381.91,1663.97 2398.32,1647.56 2398.32,1614.86 v1(2358.27,1574.8)
  Bottom Layer w10: v1(2358.27,1574.8) 2469.43,1463.64 2727.42,1463.64 2842.52,1578.74 v1(2846.46,1578.74)
"IMD OK": "IMD INTERFACE.6" U14.1 | length 1255.1
  Top Layer w8: U14.1@5476.61,2068.85 5477.73,2067.73 v1(5583,2067.73)
  Bottom Layer w8: v1(5583,2067.73) 5667.3,2067.73 5804.96,1930.07 5804.96,1757.72 5692,1644.76 5692,1251.06 5590.55,1149.61
"IMD OK (ISO)": "IMD OK TP1.1" Q1.G R28.1 R29.2 U19.25 | length 4336.9
  Top Layer w10: U19.25@2081.74,1586.14 2082.21,1586.61 2082.21,1641.26 v1(2082.68,1641.73) ; 4647.91,2050.91 4649,2052 4784.28,2052 4882.33,2150.05 ; 4803.15,1736.22 4803.21,1736.16 4803.21,1663.48 R29.2@4803.27,1663.42 4803.51,1663.18 4803.51,1554.45 Q1.G@4803.75,1554.21 ; v1(4882.33,2068.35) 4909.82,2095.85 R28.1@4909.82,2168.36 R28.1@4910.91,2169.45
  Bottom Layer w10: v1(2082.68,1641.73) 2184.6,1539.81 2361.99,1539.81 2458.16,1443.64 2868.83,1443.64 2980,1554.8 2980,1905.2 3133.41,2058.61 4547.02,2058.61 4558.29,2069.88 4875,2069.88 v1@4879.43,2065.45 ; 4803.15,1736.22 4803.15,1854.33 4882.33,1933.51 v1(4882.33,2068.35)
"NetAIR POW TP1_1": "AIR POW TP1.1" R10.1 U19.39 | length 3078
  Top Layer w8: U19.39@2357.33,1684.57 2409.92,1684.57 2417.32,1677.17 2417.32,1574.8 v1(2413.39,1570.87) ; 4454,2181 4533.43,2181 4535.43,2179 ; v1(4535.42,2086.61) 4535.43,2179 ; R10.1@4535.43,2346.46 4535.43,2179
  Bottom Layer w8: v1(2413.39,1570.87) 2496.06,1488.19 2724.41,1488.19 2819.46,1583.24 2819.46,1589.92 2835.27,1605.74 2920.7,1605.74 2961,1646.04 2961,1913.76 3133.85,2086.61 v1(4535.42,2086.61)
"NetAIR+ G TP1_1": "AIR+ G TP1.1" Q7.G R25.2 U8.6 | length 867.1
  Top Layer w8: U8.6@4182.68,2866.14 4182.84,2866.3 4182.84,2947.84 v1(4183,2948) ; Q7.G@4358.27,3405.51 4359.63,3404.15 4359.63,3301.79 v1(4361,3300.42) v1@4361.5,3299.92 ; 4362,3213 4361.5,3213.5 v1@4361.5,3299.92 ; R25.2@4500.47,3237.25 4424.17,3237.25 v1@4361.5,3299.92
  Bottom Layer w8: v1(4183,2948) 4183,3122.42 v1(4361,3300.42)
"NetAIR- G TP1_1": "AIR- G TP1.1" Q5.G R9.2 U8.7 | length 835.7
  Top Layer w8: Q5.G@4023.39,3407.24 Q5.G@4023.62,3407.48 4025.59,3405.51 v1(4025.59,3307.09) ; 4025,3228 4025.3,3228.3 4025.3,3306.79 v1(4025.59,3307.09) ; U8.7@4132.68,2866.14 4133,2866.46 v1(4133,2948) ; R9.2@4166.34,3238.19 4094.49,3238.19 v1(4025.59,3307.09)
  Bottom Layer w8: v1(4025.59,3307.09) 4025.59,3055.41 v1(4133,2948)
"NetAMS Bypass1_2": "AMS Bypass1.2" "PDOC Bypass1.3" K3.13 K4.11 | length 975.7
  Top Layer w40: K4.11@3011.89,788.04 3114.6,890.75 3401.57,890.75 3491.91,981.09 K3.13@3491.91,988.04
  Bottom Layer w40: K4.11@3011.89,788.04 3106.61,693.32 3106.61,481.73 3061.89,437.01
"NetAMS Bypass1_3": "AMS Bypass1.3" "TS Bypass1.2" K2.13 K3.11 | length 621.9
  Top Layer w40: K3.11@3491.91,788.04 3591.67,887.8 3930.75,887.8 K2.13@4031,988.04
NetC3_2: C3.2 C4.2 C5.2 C6.2 U1.12 U1.19 | length 899.1
  Top Layer w8: U1.12@2510.83,502.68 2569.61,502.68 2596.34,529.41 2654.74,529.41 C6.2@2655.57,528.58 C5.2@2744.15,528.58 2745.09,529.52 v1(2745.09,595.25) ; U1.19@2510.83,852.68 2511.73,851.78 2631.42,851.78 C3.2@2632.32,850.89 2633.3,849.91 2739.6,849.91 C4.2@2740.58,848.92 ; C4.2@2741.34,849.46 2742.72,848.07 2812.64,848.07 v1(2812.99,848.43)
  Bottom Layer w8: v1(2745.09,595.25) 2812.99,663.16 v1(2812.99,848.43)
  Bottom Layer w19.68: v1@2745.09,592.94 v1(2745.09,595.25)
NetC9_2: "CAN TERM R1.1" "CAN TERM R2.2" C9.2 | length 182.6
  Top Layer w8: 5141.81,3993.99 5145.75,3993.99 5185.12,3954.62 5185.12,3947.85 ; C9.2@5185.12,3899.49 5185.12,3947.85 ; 5234.24,3993.02 5230.3,3993.02 5185.12,3947.85
NetC12_2: "CANL TP1.1" C12.2 U1.15 U2.4 U3.1 | length 6812.5
  Top Layer w8: U1.15@2510.83,652.68 2648.86,652.68 2747.33,652.68 2751.67,657.01 2760.83,657.01 U3.1@2766.74,662.91 2808.58,662.91 2818.67,673 5638.42,673 5730.46,765.05 5730.46,1460.78 5766.94,1497.25 5766.94,1623.24 5930.12,1786.42 6099.41,1786.42 6149.61,1836.61 6149.61,2465.39 5899.53,2715.47 ; C12.2@5311.1,3490.05 5310.87,3490.28 5231.57,3490.28 U2.4@5231.33,3490.52 5231.33,3383.67 5899.53,2715.47 ; 5963.58,2772.64 5906.42,2715.47 5899.53,2715.47
NetC13_2: "CANH TP1.1" C13.2 U1.17 U2.3 U3.2 | length 6743.8
  Top Layer w8: U1.17@2510.83,752.68 2743.91,752.68 2752.96,743.62 2760.83,743.62 U3.2@2766.74,737.72 2809.28,737.72 2820,727 5635.46,727 5688.98,780.51 5688.98,1470.47 5730.94,1512.43 5730.94,1638.15 5915.21,1822.42 6069.46,1822.42 6105.31,1858.27 6105.31,2439.68 5920.63,2624.37 ; C13.2@5055.2,3490.05 5055.43,3490.28 5132.67,3490.28 U2.3@5132.91,3490.52 5132.91,3412.09 5920.63,2624.37 ; 5870.08,2565.94 5870.08,2573.82 5920.63,2624.37
NetC21_2: C21.2 D1.K L1.2 | length 5.6
  Top Layer w62.99: C21.2@5500,3746.06 C21.2@5501.97,3744.09 ; L1.2@5706.69,3659.45 L1.2@5708.66,3657.48
NetC49_2: C49.2 U20.4 | length 86.7
  Top Layer w8: C49.2@1851.89,1652.51 1853.3,1653.92 U20.4@1853.3,1738.67
NetC52_2: "PDOC NTC1.1" "PDOC TEMP AMP OUT TP1.1" C52.2 R62.1 U21.4 U22.4 | length 1888.8
  Top Layer w8: C52.2@1044.97,787.82 1046.15,789 R62.1@1147,789 1147,691 1210,628 1210,516 1148,454 ; U22.4@1104.31,1380.61 1104.31,1454.31 v1(1185,1535) ; v1(1183,1799) 1184.8,1797.2 U21.4@1184.8,1740
  Bottom Layer w8: 1147,691 1218,762 1218,1502 v1(1185,1535) 1184,1536 1184,1798 v1(1183,1799)
NetC54_2: "PDOC TEMP REF TP1.1" C54.2 R64.1 R65.1 R65.2 U21.3 U22.5 | length 1367.2
  Top Layer w8: R64.1@763.78,996.06 C54.2@763.78,917.32 825.2,917.32 R65.2@862.2,954.33 R65.1@862.2,1054.33 ; 979,1221 979,1078 955.33,1054.33 R65.1@862.2,1054.33 ; U22.5@1084.63,1380.61 1084.63,1429.37 1063.5,1450.5 ; U21.3@1184.8,1647 1185,1646.8 1185,1573.18 1063.5,1451.68 1063.5,1450.5 ; R65.1@862.2,1054.33 862.2,1249.2 1063.5,1450.5